# KiCad board oresat-live-card.kicad_pcb (continued)
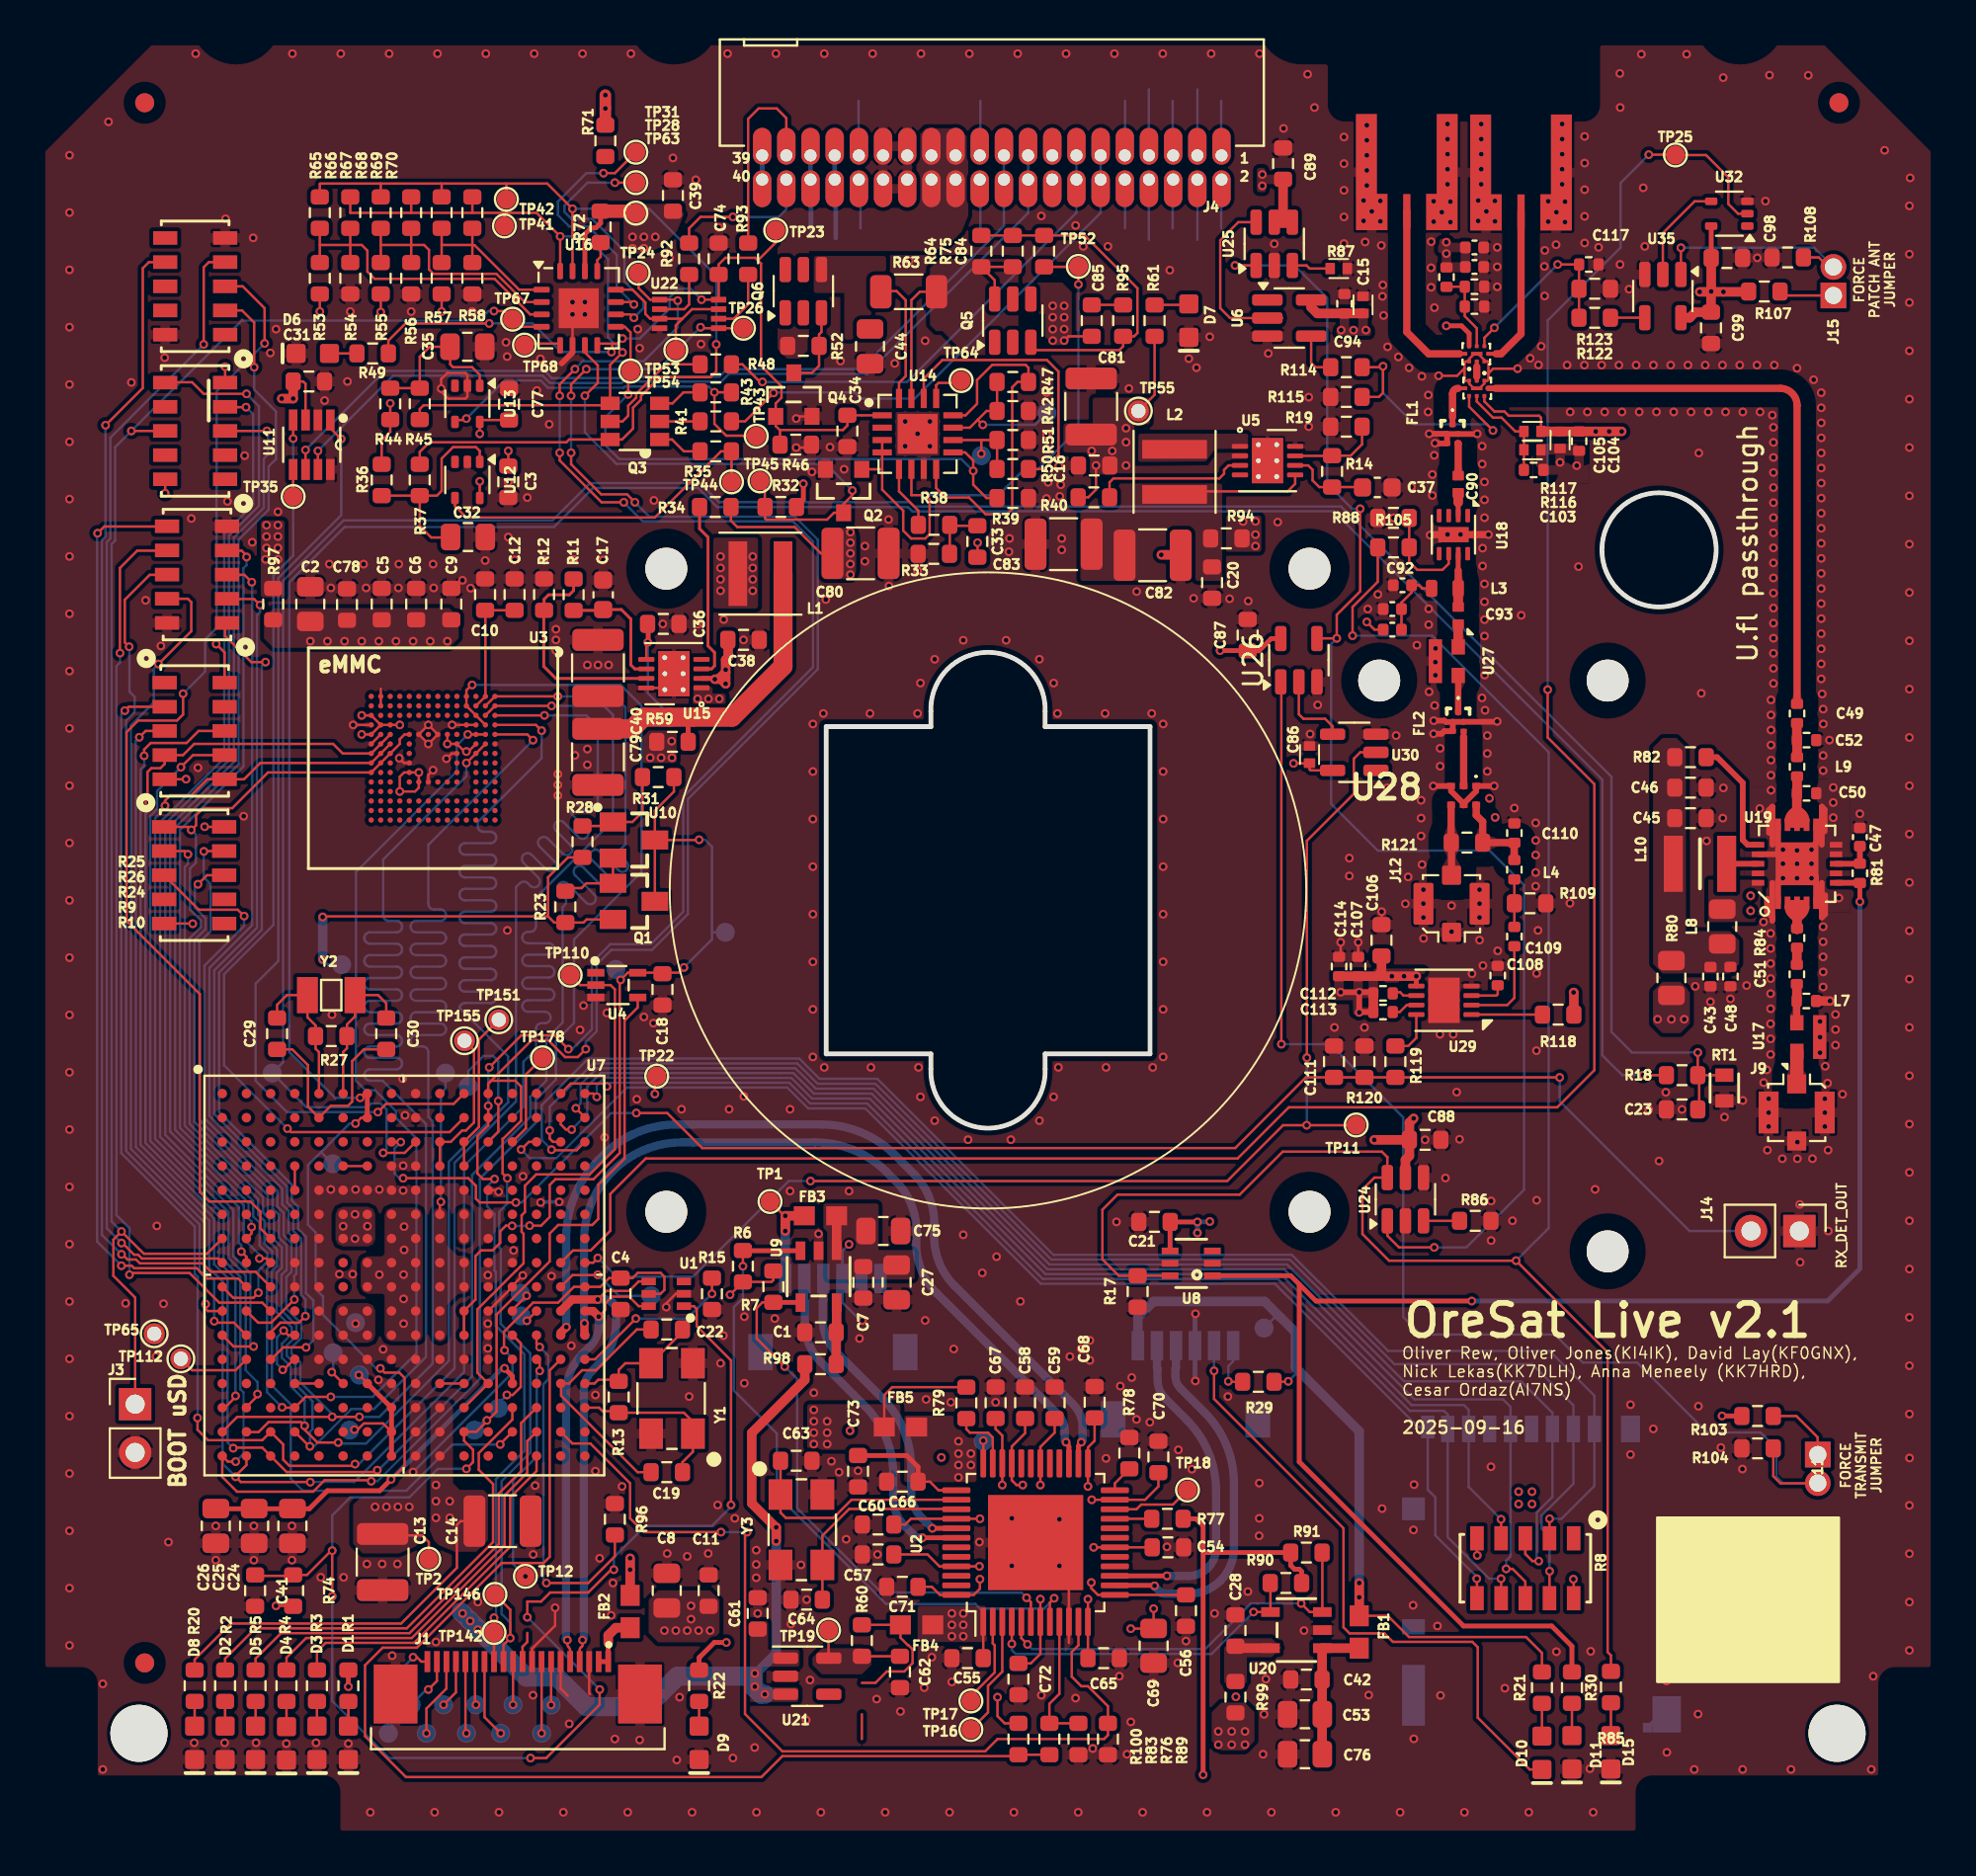
[diagram p0: board, top side]
## Routing (per net, layer and track width the routed paths; a pad name or vN(x,y) marks a point on that pad's centre or on a via; arc(x,y) is an arc through that point) (continued)
I2C0_SCL: length 8
  Top w0.127: U7.D10 U7.C10 21.68,36.58 22.28,37.18 22.48,37.18 22.9,37.61 22.9,41.4 TP155.1
I2C0_SDA: length 8.4
  Top w0.127: TP151.1 23.15,41.95 23.15,37.36 22.38,36.58 22.38,35.31
nRESET: length 103.7
  Top w0.127: 23.57,21.89 24.09,22.41 24.09,27.5 24.08,27.5 26.88,30.3 26.88,31.77 27.33,32.22 29.11,32.22 29.43,32.53 29.43,34.33 30.81,35.71 30.81,42.96 31.5,43.65 U4.4 ; 23.57,21.89 23.57,21.9 v1(23.57,21.95) ; 23.57,21.89 23.02,21.34 22.38,21.34 22.38,20.88 22.85,20.4 22.85,19.75 v1(22.5,19.4) ; 33.92,27.95 34.45,27.95 34.6,27.8 34.6,26.9 36.4,25.1 v1(36.4,17.5) ; J1.10 25.45,10.05 25.7,10.3 25.7,10.77 ; v1(15.45,12.7) v1(15.45,15.1) 15.4,15.1 14.12,13.82 R74.1 13.35,13.77 11.4,13.77 ; v1(30.24,14.1) 30.1,14.1 28.9,12.9 26.9,12.9 26.42,12.42 25.7,12.42 v1(25.7,11.6) ; v1(29.5,7.8) 29.5,7.01 26.69,4.2 v1(25.87,4.2)
  Bottom w0.127: v1(30.24,14.1) 30.24,14.74 31.9,16.4 35.4,16.4 36.4,17.4 v1(36.4,17.5) ; v1(15.45,15.1) 15.45,16.95 16.4,17.9 19.5,17.9 21,19.4 v1(22.5,19.4) ; v1(25.7,11.6) v1(29.5,7.8) ; TP109.1 23.44,21.95 v1(23.57,21.95) ; v1(15.45,12.7) 15.45,7.2 18.45,4.2 v1(25.87,4.2)
OPD_PWR: length 30
  Top w0.607: R71.1 v1(29.8,90.9) v1(29.8,91.6)
  In2.Cu w0.607: v1(29.8,90.9) v1(29.8,91.6) 52.2,91.6 53.28,90.52 53.28,88.02 ; J4.16 53.28,88.02 ; 53.28,88.02 J4.15
OPD_SCL: length 25.2
  Top w0.127: v1(38.05,76.53) 37.92,76.53 37,77.45 R48.1
  Bottom w0.127: v1(38.05,76.53) 45.65,76.53 54.55,85.42 J4.14 J4.13
OPD_SDA: length 27.2
  Top w0.127: R41.1 37.14,74.45 v1(38.63,75.95)
  Bottom w0.127: v1(38.63,75.95) 38.66,75.97 42.91,75.97 43.23,75.65 46.05,75.65 55.82,85.42 J4.12 J4.11
PA_MATCH_OUT: length 32.4
  Top w0.3: U34.8 76.56,76.19
  Top w0.38: C49.2 92.4,75.3 arc(92.14,75.93) 91.51,76.19 76.56,76.19
PA_ON_LNA_OFF: length 105.6
  Top w0.127: v1(69.05,63.19) 69.05,64.7 70.38,66.02 R105.1 ; U8.6 57.76,29.55 R17.2 56.78,29.54 55.91,30.41 55.91,33.02 56.7,33.81 63.12,33.81 65.38,36.07 70.59,36.07 70.88,35.78 70.88,35.78 U24.6 70.2,34.71 69.57,34.08 69.57,31.74 70.97,30.34 v1(77.64,30.34) 82.45,25.53 82.45,9.77 82.62,9.6 82.62,8.75
  Bottom w0.127: v1(77.64,30.34) 79.35,32.05 79.35,57.07 73.23,63.19 v1(69.05,63.19)
PA_THERMISTOR: length 138.5
  Top w0.127: v1(87.19,41.28) R18.2 87.19,40.09 88.36,40.09 88.36,40.09 RT1.1 ; v1(18.13,36.01) 19.26,36.01 U7.C9 ; 87.26,38.29 87.26,40.09
  Bottom w0.127: v1(18.13,36.01) 18.3,36.18 18.3,38.3 18,38.6 17.5,38.6 17.3,38.4 14.1,38.4 TP10.1 12.87,40.77 12.87,66.07 16.05,69.25 27.02,69.25 27.75,69.97 27.75,69.97 28.99,71.21 34.77,71.21 35.78,70.2 45.8,70.2 46.02,69.98 68.44,69.98 82.65,55.77 82.65,42.36 83.73,41.28 v1(87.19,41.28)
PATCH_ANTENNA: length 8.6
  Top w0.2: U36.4 76.59,78
  Top w0.38: J8.SIG 77.9,79.05 76.85,78 76.59,78
RX_DET_OUT: length 82.9
  Top w0.127: v1(79.93,39.97) 79.78,39.97 79.78,39.97 66.6,39.97 62.88,36.26 34.89,36.26 33.05,38.1 v1(31.42,38.1) ; U7.C8 19.04,36.58 v1(19.05,36.57) ; v1(19.17,34.67) 22.6,34.67 23,34.27 23,33.6 23.2,33.4 v1(25.1,33.4)
  Bottom w0.127: v1(25.1,33.4) 25.41,33.4 30.11,38.1 v1(31.42,38.1) ; v1(19.17,34.67) 18.97,34.67 18.72,34.92 18.72,36.25 v1(19.05,36.57) ; v1(79.93,39.97) 79.93,38.72 86.75,31.9 J14.2
RX_IN: length 2.5
  Top w0.2: 74.6,76.19 U34.4
  Top w0.3: FL1.1 74.3,74.67
  Top w0.38: 74.3,74.67 74.3,75.89 arc(74.39,76.1) 74.6,76.19
SYSBOOT2: length 84.9
  Top w0.127: 26.54,79.42 25.32,79.42 TP67.1 24.5,80.25 v1(23.95,80.25) ; 9.67,31.5 8.88,30.71 5.56,30.71 5.36,30.91 5.35,30.91 v1(4.38,31.87) 3.96,31.45 3.96,29.54 5.1,28.4 J3.1 ; v1(4.9,73.95) R26.8
  Bottom w0.127: v1(23.95,80.25) 23.65,80.25 23.15,79.75 10.7,79.75 v1(4.9,73.95) 4.05,73.1 4.05,68.19 3.86,68 3.86,32.39 v1(4.38,31.87)
TRANSMIT: length 65.9
  Top w0.127: U7.H16 29.15,30.23 v1(29.4,30.48) ; TP11.1 69.23,37.46 v1(66.64,37.46) 65.4,37.46 62.47,34.52 v1(40.57,34.52) ; U30.2 69.45,57.06 69.11,56.72 69.11,54.87 66.65,52.41 v1(66.65,41.01)
  Bottom w0.127: v1(40.57,34.52) 39.42,34.52 34.4,29.5 30.38,29.5 v1(29.4,30.48) ; v1(66.64,37.46) 66.64,37.53 66.65,37.54 v1(66.65,41.01)
UART0_Rx: length 106.7
  Top w0.127: v1(28,75.8) 28,76.4 v1(28.8,77.2) ; J1.12 24.45,10.15 v1(24.8,10.5) 24.8,12 TP146.1 ; v1(24.65,34.67) 24.4,34.92 24.4,36.75 24.43,36.75 25.37,37.69 25.37,39.49 25.07,39.8 23.8,39.8 23.64,39.64 ; v1(34.8,79.4) 34.85,79.35 U22.5 37.35,79.35 ; 23.64,39.64 23.64,39.12 ; 23.64,39.64 25.93,41.93 26.79,41.93 27.68,41.04 28.35,41.04 v1(28.77,41.46) ; v1(28,72.8) 28,72.2 29.58,70.62 30.94,70.62 31.35,70.21 v1(31.35,70.2)
  Bottom w0.127: v1(31.35,70.2) 32.11,69.45 39.75,69.45 40.96,68.24 40.96,61.43 34.14,54.61 34.14,48.57 32.25,46.68 30.12,46.68 29.34,45.9 29.34,42.39 28.77,41.82 v1(28.77,41.46) ; v1(28.8,77.2) 32.6,77.2 v1(34.8,79.4) ; v1(28,72.8) v1(28,75.8) ; v1(24.65,34.67) 24.64,34.66 24.64,33.33 24.23,32.92 24.23,31.02 24.3,30.95 24.3,27.01 25.85,25.47 25.85,20.25 24.35,18.75 24.35,11.77 24.8,11.31 v1(24.8,10.5)
UART0_Tx: length 103.5
  Top w0.127: v1(23.65,38.47) 23.64,38.47 U7.B12 23.64,37.45 23.08,36.88 23.08,34.92 23.37,34.63 v1(23.98,34.63) ; v1(27.4,72.8) 27.4,72.4 29.6,70.2 v1(30.77,70.2) ; v1(27.4,75.8) 27.4,76.4 v1(28.2,77.2) ; J1.13 TP142.1 v1(23.95,11.57) ; v1(33.6,80.8) 33.55,80.85 U22.1 32.15,80.85 31.55,81.45 31.55,82.3 ; v1(27.86,41.46) 27.13,42.18 25.38,42.18 v1(23.7,40.5)
  Bottom w0.127: v1(28.2,77.2) 28.62,77.62 31.82,77.62 33.6,79.4 v1(33.6,80.8) ; v1(23.98,34.63) 23.59,34.25 23.59,33.19 23.98,32.8 23.98,29.82 24.04,29.76 24.04,26.91 25.55,25.41 25.55,20.35 24.05,18.85 24.05,11.67 v1(23.95,11.57) ; v1(27.86,41.46) 28.05,41.46 29.09,42.5 29.09,46.01 30.05,46.97 32.18,46.97 33.89,48.68 33.89,54.72 40.71,61.54 40.71,68.13 39.65,69.19 31.77,69.19 30.93,70.03 30.93,70.03 v1(30.77,70.2) ; v1(23.65,38.47) 23.65,40.45 v1(23.7,40.5) ; v1(27.4,72.8) v1(27.4,75.8)
USB_DEV_N: length 22.8
  Top w0.127: U1.6 31.55,27.95 31.05,28.45 30.15,28.45 29.8,28.1 29.8,27.75 v1(29.45,27.4) ; J1.5 27.95,9.84 arc(27.93,9.94) 27.88,10.02 arc(27.82,10.11) 27.8,10.21
  Top w0.432: U7.K16 29.16,27.69 v1(29.45,27.4)
  Bottom w0.432: v1(29.45,27.4) 29.45,26.92 arc(29.34,26.35) 29.01,25.86 28.61,25.46 arc(27.96,24.49) 27.73,23.34 27.73,10.47 v1(27.8,10.4)
USB_DEV_P: length 25.6
  Top w0.127: J1.4 28.45,9.88 arc(28.46,9.94) 28.5,10 28.57,10.07 arc(28.59,10.1) 28.6,10.14 v1(28.6,10.4) ; v1(29.4,28.3) 29.85,28.75 31.05,28.75 31.55,29.25 U1.4
  Top w0.432: v1(29.4,28.3) 28.06,28.3 27.45,27.69
  Bottom w0.432: v1(28.6,10.4) 28.63,10.43 arc(28.66,10.47) 28.67,10.52 28.67,23.5 arc(28.78,24.07) 29.11,24.56 29.48,24.93 arc(30.1,25.83) 30.36,26.88 30.36,27.73 arc(30.32,27.93) 30.21,28.09 30.15,28.15 arc(29.98,28.26) 29.79,28.3 v1(29.4,28.3)
USB_DEV_VBUS: length 3.2
  Top w0.25: 29.95,10.25 J1.1 J1.2
  Top w0.5: 29.95,10.25 29.95,10.65 30.35,11.05 FB2.1
VPD: length 24.4
  Top w0.127: v1(14.8,80.22) R53.2 ; v1(18,80.2) R55.2 ; 23.2,70.52 v1(23.2,71.3) ; C3.1 v1(24.7,72.9) ; v1(23.2,73.8) 23.2,74.52 24.67,74.52 ; v1(18.5,75.4) R44.2 18.5,73.9 18.05,73.45 R36.2 ; v1(21.2,80.22) R57.2
  Top w0.25: 31.3,85.5 TP63.1 ; 40.2,70.32 v1(40.2,71.17) ; 28.72,82.26 28.72,84.3 29.05,84.62 29.3,84.62 29.55,84.87 R72.2
  Top w0.7: R72.2 31.3,85.5
  In2.Cu w0.25: v1(40.2,71.17) 32.25,71.17
  vias: v1(31.22,84.15) v1(31.22,83.55) v1(31.82,84.15) v1(31.82,83.55) v1(32.42,84.15)
Net-(C2-Pad1): length 9.5
  Top w0.127: U3.N4 U3.M4 v1(19,58.5) ; U3.N4 U3.P5 v1(17,58) ; U3.N4 U3.P3 v1(17,59) ; U3.F5 v1(21.5,57.5) U3.E6 22.4,57.1 v1(22.5,57.1) 22.6,57.1 U3.C6 ; U3.K9 v1(20,56) U3.J10 20,55.2 19.8,55 v1(19,55) 19,55.77 19.22,56 U3.K9
  vias: v1(14.3,62.9) v1(15.2,62.9) v1(16.1,62.9) v1(17,62.9) v1(17.9,62.9) v1(18.8,62.9) v1(19.7,62.9) v1(20.6,62.9) v1(21.5,62.9)
Net-(C33-Pad1): length 3
  Top w0.127: C33.1 47.9,68.97 47.89,68.96 47.89,67.44
Net-(C49-Pad1): length 1.8
  Top w0.38: 92.39,58.58 C49.1 ; 92.4,57.69 C52.1
  Top w0.5: L9.2 92.4,57.69 ; C52.1 92.39,58.58
Net-(C51-Pad1): length 2
  Top w0.38: 92.39,44 L7.2 92.38,42.85 U17.2
  Top w0.5: C51.1 92.39,44
Net-(C51-Pad2): length 0.8
  Top w0.5: 92.39,46.74 C51.2
Net-(C54-Pad1): length 22.6
  Top w0.127: v1(49.45,14.27) U2.45 47.35,14.27 46.72,14.9 C57.1 ; v1(50.65,18.55) U2.34 50.65,21.15 50.3,21.5 C67.1 ; C59.1 53.4,21.3 52.65,20.55 U2.30 v1(52.65,18.55) ; C54.1 U2.18 v1(55.45,15.27) ; C65.1 U2.12 v1(55.15,12.55) ; C55.1 U2.1 ; v1(57.4,11) 58.6,11 v1(58.6,12.05)
  vias: v1(48,11.8) v1(48,11.2) v1(48,10.6) v1(48.6,11.8) v1(48.6,11.2) v1(48.6,10.6)
Net-(C56-Pad1): length 37.2
  Top w0.127: C58.1 51.85,21.27 51.15,20.57 U2.33 51.15,18.8 51.4,18.55 v1(51.72,18.55) ; v1(55.15,18.47) U2.25 55.15,20.52 55.5,20.88 C68.1 ; v1(55.32,13.42) 55.32,13.12 55.67,12.77 U2.13 C56.1 ; U2.37 47.3,18.27 46.85,18.72 C66.1 ; C72.1 52.15,9.17 52.65,9.67 U2.7 v1(52.65,12.55) ; v1(49.47,13.6) 49.47,13.1 49.15,12.77 U2.48 47.38,12.77 46.95,13.2 C71.1 ; C70.1 58.85,18.47 58.15,17.77 U2.23 v1(55.35,17.77) ; C60.1 45.55,16.47 45.85,16.77 U2.40 v1(49.47,16.77)
  Top w0.25: C66.1 46.22,19.5 45.62,20.1 C73.1
  vias: v1(48.35,20.85) v1(48.35,20.2) v1(48.35,19.6) v1(48.35,18.95) v1(49,20.2) v1(49,19.6)
Net-(C85-Pad2): length 1.7
  Top w0.127: C85.2 R95.1
Net-(C91-Pad1): length 3.7
  Top w0.127: R106.1 C91.1 71.62,64.93 72.15,65.46 C92.1 72.54,65.84 72.71,65.67 72.72,65.67 L3.1
Net-(C93-Pad2): length 1.2
  Top w0.5: C93.2 U27.1
Net-(C109-Pad1): length 2.5
  Top w0.127: L4.2 R109.1 C109.1
Net-(D1-A): length 1.3
  Top w0.127: 16.3,5.88 R1.2
Net-(D2-A): length 1.3
  Top w0.127: 9.82,5.88 R2.2
Net-(D3-A): length 1.3
  Top w0.127: 14.65,5.88 R3.2
Net-(D4-A): length 1.3
  Top w0.127: D4.2 R4.2
Net-(D5-A): length 1.3
  Top w0.127: 11.42,5.88 R5.2
Net-(D6-A): length 1.4
  Top w0.127: R49.1 D6.2
Net-(D7-A): length 1.8
  Top w0.127: 60.45,80.63 60.4,80.57 R61.1
Net-(D8-A): length 1.3
  Top w0.127: 8.22,5.88 R20.2
Net-(D9-A): length 1.3
  Top w0.127: 34.72,5.88 R22.2
Net-(D10-A): length 1.7
  Top w0.127: D10.2 R21.2
Net-(D11-A): length 1.7
  Top w0.127: 80.57,5.38 R30.2
Net-(D15-A): length 1.7
  Top w0.127: R85.2 82.62,5.38 82.62,5.38
Net-(FL1-OUTPUT): length 1.7
  Top w0.127: 74.59,71.61 C90.1
  Top w0.38: FL1.4 74.6,73.28 C90.1
Net-(FL2-INPUT): length 1.9
  Top w0.33: U27.2 FL2.1
Net-(FL2-OUTPUT): length 2.9
  Top w0.27: FL2.4 74.89,57.88
  Top w0.38: U28.2 74.89,57.88
Net-(J1-DEBUG-0): length 2.5
  Top w0.127: J1.17 21.95,7.65 v1(21.3,7)
Net-(J1-DEBUG-1): length 4.2
  Top w0.127: J1.18 21.45,7.85 20.4,6.8 v1(20.4,5.5)
Net-(J1-DEBUG-2): length 2.9
  Top w0.127: J1.19 20.95,8.25 v1(20.5,7.8)
  Bottom w0.127: v1(20.5,7.8) 20.4,7.8 TP21.1
Net-(J1-DEBUG-3): length 5.4
  Top w0.127: J1.20 20.13,9.27 19.9,9.5 v1(19.7,9.5)
  Bottom w0.127: v1(19.7,9.5) 18.4,8.2 TP30.1
Net-(J1-HOST-D+): length 2.3
  Top w0.127: J1.7 26.95,6.99 v1(26.95,6.99)
Net-(J1-HOST-D-): length 3.8
  Top w0.127: J1.8 v1(26.45,5.5)
Net-(J1-SWCLK): length 2.3
  Top w0.127: J1.15 22.95,7.05 v1(23,7)
Net-(J1-SWDIO): length 4.1
  Top w0.127: v1(24.3,5.5) 23.45,6.35 J1.14
Net-(J1-SWO): length 3.8
  Top w0.127: J1.16 22.45,5.55 v1(22.5,5.5)
Net-(J1-VTARGET): length 2.3
  Top w0.127: J1.11 v1(24.95,7)
Net-(J7-CD#): length 69.1
  Top w0.127: R8.6 75.59,13.61 v1(75.57,13.62) ; U7.C14 25.78,36.58 v1(25.38,36.18) ; TP22.1 32.4,39.94 v1(32.4,39.1)
  Bottom w0.127: 32.4,39.44 30.93,39.44 27.23,35.73 25.83,35.73 v1(25.38,36.18) ; 32.4,39.44 v1(32.4,39.1) ; 32.4,39.44 39.36,39.44 40.45,38.35 43.45,38.35 52.67,29.13 64.97,29.13 72.5,21.6 J7.CD 73,18.3 73.4,17.9 73.4,15.9 75.57,13.72 v1(75.57,13.62)
Net-(J7-CLK): length 70.7
  Top w0.127: R8.8 78.12,13.47 77.46,14.14 v1(77.12,14.14) ; 27.45,37.85 27.45,37.5 27.73,37.23 v1(28.03,37.23)
  Bottom w0.127: J7.5 77.35,21.35 ; J7.5 77.35,22.65 76.95,23.05 72.3,23.05 65.46,29.89 53.02,29.89 43.79,39.12 40.75,39.12 39.67,40.2 38.92,40.2 ; J7.5 77.35,14.8 77.12,14.57 v1(77.12,14.14) ; 38.97,40.2 29.55,40.2 28.85,39.5 28.85,38.06 v1(28.03,37.23)
Net-(J7-CMD/DI): length 70.8
  Top w0.127: R8.3 78.12,14.92 78.5,14.55 v1(78.83,14.55) ; v1(28.25,38.35) 28.72,37.87 U7.B16
  Bottom w0.127: v1(28.25,38.35) 28.5,38.6 28.5,39.6 29.35,40.45 39.78,40.45 40.85,39.38 43.89,39.38 53.12,30.14 65.61,30.14 71.75,24 77.9,24 79.55,22.35 J7.3 79.55,17.92 78.73,17.1 78.73,14.65 v1(78.83,14.55)
Net-(J7-DAT0/DO): length 62
  Top w0.127: R8.4 76.85,16.74 v1(76.85,16.75) ; 28.72,39.12 29.17,39.12 v1(29.35,38.95)
  Bottom w0.127: v1(76.85,16.75) 75.15,18.45 J7.7 75.15,22.5 74.9,22.75 72.15,22.75 65.27,29.64 52.91,29.64 43.69,38.86 40.66,38.86 39.57,39.95 29.74,39.95 29.35,39.56 v1(29.35,38.95)
Net-(J7-DAT1): length 65.4
  Top w0.127: v1(76.85,13.62) 76.85,13.62 R8.7 ; v1(29.88,39.5) 29.73,39.65 27.98,39.65 27.45,39.12
  Bottom w0.127: v1(76.85,13.62) 76.23,13.62 74.05,15.81 J7.8 74.05,22.25 73.85,22.45 72.05,22.45 65.12,29.38 52.78,29.38 43.56,38.6 40.56,38.6 39.46,39.69 30.07,39.69 v1(29.88,39.5)
Net-(J7-DAT2): length 77
  Top w0.127: v1(79.4,16.77) 79.39,16.77 R8.2 ; U7.C16 28.28,36.14 27,36.14 v1(26.97,36.17)
  Bottom w0.127: v1(26.97,36.17) 26.46,36.69 26.46,38.52 28.9,40.96 39.99,40.96 41.05,39.9 44.08,39.9 53.33,30.65 65.86,30.65 70.91,25.6 79.4,25.6 81.75,23.25 J7.1 81.75,18.5 80.03,16.77 v1(79.4,16.77)
Net-(J7-DAT3/CS): length 75.5
  Top w0.127: v1(79.4,14.02) 79.39,14.01 R8.9 ; v1(26.88,37.18) 26.88,36.76 27.05,36.58 27.45,36.58
  Bottom w0.127: v1(26.88,37.18) 26.88,38.43 29.15,40.71 39.88,40.71 40.95,39.64 43.99,39.64 53.23,30.4 65.75,30.4 71.25,24.9 78.49,24.9 80.65,22.74 J7.2 80.65,18.62 78.98,16.95 78.98,16.24 79.4,15.82 v1(79.4,14.02)
Net-(J9-In): length 1.7
  Top w0.38: 92.39,39.64 J9.1
  Top w0.7: U17.1 92.39,39.64
Net-(J11-A): length 3.7
  Top w0.127: J11.1 93.48,20.16 93.48,21.06 92.36,22.18 R103.2
Net-(J11-B): length 67.8
  Top w0.127: U26.1 65.31,60.73 v1(65.31,41.72) ; R104.1 91.15,19.02 91.53,18.64 93.48,18.64 J11.2
  Bottom w0.127: v1(65.31,41.72) 67.86,41.72 71.71,37.87 71.71,27.38 72.63,26.46 79.67,26.46 81.14,24.98 84,24.98 87.67,21.31 90.49,21.31 91.32,20.48 91.32,18.98 91.66,18.64 93.48,18.64 J11.2
Net-(J12-In): length 3.7
  Top w0.38: 74.23,54.3 74.23,52.32 R121.1 74.25,52.3 J12.1
Net-(J15-A): length 2.8
  Top w0.127: 91.5,81.07 J15.1
Net-(J15-B): length 11.6
  Top w0.127: U35.1 v1(86.3,83.58) ; J15.2 94.04,82.57 93.54,83.07 R108.1
  Bottom w0.127: J15.2 93.3,83.58 v1(86.3,83.58)
Net-(Q1-B): length 3.9
  Top w0.127: 27.7,49.92 28.55,49.92 28.8,50.17 30.1,50.17 30.2,50.27 U10.2
Net-(Q1-C): length 46
  Top w0.127: v1(25.82,32.18) 26.42,32.18 26.88,32.63 26.88,34.32 27.18,34.62 29.17,34.62 30.55,36 30.55,45.05 ; U10.3 34.71,52.45 v1(34.72,52.46) ; U10.3 32.4,53.99 33.4,54.99 R31.1 ; U10.3 Q1.3 ; 24.89,32.17 v1(24.9,32.17) 24.89,32.18 24.58,32.18 24.28,31.88 24.28,31.28 23.88,30.88 23.28,30.88 22.98,30.58 22.98,28.3 22.38,27.69 22.38,26.42 ; v1(33.92,45.75) 33.65,45.47 30.97,45.47 v1(30.6,45.1)
  Bottom w0.127: v1(33.92,45.75) 35.4,47.22 35.4,47.6 ; v1(25.82,32.18) 25.81,32.17 v1(24.9,32.17) ; 35.4,47.6 35.4,52.1 35.04,52.46 v1(34.72,52.46) ; 35.4,47.6 TP14.1
Net-(Q3A-G): length 2.4
  Top w0.127: Q3.1 33.3,73.5 33.92,72.88 R35.2
Net-(Q3A-S): length 6.4
  Top w0.127: R48.2 32.97,77.45 31.42,75.89 31.42,75.7 31,75.28 31,74.75 30.7,74.45 Q3.5
Net-(Q3B-G): length 2.4
  Top w0.127: Q3.3 33.32,75.4 33.9,75.98 R43.2
Net-(Q3B-S): length 2.1
  Top w0.127: R41.2 34.77,74.45 Q3.2
Net-(Q4-D): length 4.3
  Top w0.127: Q6.3 41.15,79.15 41.03,79.03 R52.1 41.03,77.38 40.65,77 Q4.3
Net-(Q5-G): length 18.3
  Top w0.127: Q5.3 52.15,78.3 52.25,78.2 56.8,78.2 57,78.4 R95.2 57.57,78.92 57.75,79.1 57.75,81.45 54.97,84.22 R75.2 C84.1 R64.1
Net-(Q5-S): length 6.6
  Top w0.127: 47.15,81.27 46.32,81.27 45.88,80.83 U14.15
Net-(R9-22): length 112.7
  Top w0.127: v1(4.56,59.25) 4.76,59.45 R9.2 ; v1(26.6,59) U3.A3 ; 8.38,22.08 v1(8.38,22.08) 8.38,21.46 8.93,20.9 11.77,20.9 U7.R3 12.88,20.68 12.88,19.88 13.2,19.56 16.56,19.56 v1(16.65,19.65)
  Bottom w0.127: v1(16.65,19.65) 16.84,19.65 21.88,24.68 21.88,35.48 21.88,35.48 25.11,38.71 25.11,49.98 25.3,50.17 arc(25.52,50.26) 25.73,50.17 25.85,50.05 arc(26.06,49.96) 26.28,50.05 arc(26.36,50.26) 26.28,50.48 25.5,51.25 arc(25.41,51.46) 25.5,51.67 arc(25.71,51.76) 25.93,51.67 26.7,50.9 arc(26.91,50.81) 27.12,50.9 arc(27.21,51.11) 27.12,51.32 26.35,52.1 arc(26.26,52.31) 26.35,52.52 arc(26.56,52.61) 26.77,52.52 27.55,51.75 arc(27.76,51.66) 27.97,51.75 arc(28.06,51.96) 27.97,52.17 27.2,52.95 arc(27.11,53.16) 27.2,53.37 arc(27.41,53.46) 27.62,53.37 28.4,52.6 arc(28.61,52.51) 28.82,52.6 arc(28.91,52.81) 28.82,53.02 28.05,53.8 arc(27.96,54.01) 28.05,54.22 arc(28.26,54.31) 28.47,54.22 28.7,53.99 arc(28.91,53.9) 29.12,53.99 29.4,54.27 29.4,58.4 28.8,59 v1(26.6,59) ; v1(4.56,59.25) 4.37,59.06 4.37,36 8.23,32.14 8.23,29.64 8.39,29.48 8.39,29.13 8.38,29.13 8.38,22.09 8.38,22.08
Net-(R9-33): length 114.1
  Top w0.127: U3.B3 24,59.5 v1(26.97,59.5) ; U7.T2 10.94,19.6 10.38,19.03 v1(10.38,18.98) 10.65,18.71 14.15,18.71 14.15,18.71 ; R9.3 5.65,58.18 v1(5.32,57.85)
  Bottom w0.127: v1(10.38,18.98) 9.7,19.66 9.7,29.24 8.99,29.95 8.99,32.46 5.13,36.32 5.13,57.66 v1(5.32,57.85) ; v1(26.97,59.5) 29.73,59.5 30.2,59.03 30.2,53.47 26.15,49.42 26.15,47.92 arc(26.07,47.71) 25.85,47.62 25.74,47.62 arc(25.52,47.54) 25.44,47.32 arc(25.52,47.11) 25.74,47.02 26.82,47.02 arc(27.03,46.94) 27.12,46.72 arc(27.03,46.51) 26.82,46.42 25.74,46.42 arc(25.52,46.34) 25.44,46.12 arc(25.52,45.91) 25.74,45.82 26.82,45.82 arc(27.03,45.74) 27.12,45.52 arc(27.03,45.31) 26.82,45.22 25.74,45.22 arc(25.52,45.14) 25.44,44.92 arc(25.52,44.71) 25.74,44.62 26.82,44.62 arc(27.03,44.54) 27.12,44.32 arc(27.03,44.11) 26.82,44.02 25.74,44.02 arc(25.52,43.94) 25.44,43.72 arc(25.52,43.51) 25.74,43.42 26.62,43.42 arc(26.83,43.34) 26.92,43.12 arc(26.83,42.91) 26.62,42.82 26.45,42.82 arc(26.24,42.74) 26.15,42.52 26.15,41.45 25.5,40.8 25.5,38.44 22.38,35.32 22.38,24.48 16.6,18.71 14.15,18.71
  vias: v1(14.3,18.7)
Net-(R9-44): length 50.1
  Top w0.127: v1(10.37,23.23) 10.37,23.18 9.81,22.61 9.67,22.61 ; U3.M5 17.5,57 16,57 15.5,57.5 8.2,57.5 7.61,56.91 R9.4 6.65,56.45 6.42,56.22 5.95,56.22 5.75,56.02 5.75,54.5 v1(5.83,54.42)
  Bottom w0.127: v1(10.37,23.23) 10.37,29.39 9.5,30.26 9.5,32.67 5.64,36.53 5.64,53.81 5.82,54 5.82,54.42 v1(5.83,54.42)
Net-(R9-66): length 47.7
  Top w0.127: U7.P2 10.94,22.65 11.53,23.23 v1(11.53,23.33) ; U3.M6 17.5,56.5 11.67,56.5 10.82,55.64 R9.6 8.89,55.64 8.05,54.8 6.95,54.8 6.67,54.52 v1(6.67,54.25)
  Bottom w0.127: v1(11.53,23.33) 11.53,23.96 10.9,24.58 10.9,29.58 10,30.47 10,32.89 6.15,36.74 6.15,53.6 6.67,54.12 v1(6.67,54.25)
Net-(R9-77): length 111.1
  Top w0.127: v1(7.5,56.28) 8.14,56.91 R9.7 ; v1(10.38,19.78) 9.97,19.78 9.67,20.07 9.67,18.97 10.45,18.2 14.45,18.2 15.05,18.8 17.45,18.8 v1(17.5,18.75) ; U3.B4 22.5,59.5 22.5,60.33 v1(22.8,60.6)
  Bottom w0.127: v1(22.8,60.6) 30.6,60.6 31.7,59.5 31.7,50.77 28.15,47.22 28.15,42.83 27.2,41.87 27.2,39.85 26.15,38.8 26.15,37.6 23.2,34.65 23.2,24.12 17.83,18.75 v1(17.5,18.75) ; v1(10.38,19.78) 10.79,20.19 10.79,23.42 10.63,23.58 10.63,29.49 9.75,30.37 9.75,32.78 5.89,36.64 5.89,53.71 6.25,54.07 6.25,55.02 v1(7.5,56.28)
Net-(R9-88): length 115.1
  Top w0.127: v1(17.82,19.33) 17.72,19.23 13.06,19.23 U7.T3 11.77,20.52 10.28,20.52 v1(10.25,20.49) ; v1(27.3,60) 24,60 U3.B2 ; v1(5.57,56.87) 5.57,57.2 5.92,57.55 7.8,57.55 8.43,58.18 R9.8
  Bottom w0.127: v1(27.3,60) 30.28,60 30.85,59.42 30.85,52.22 30.62,51.99 arc(30.54,51.78) 30.62,51.57 30.91,51.29 arc(31,51.07) 30.91,50.86 arc(30.7,50.77) 30.48,50.86 29.49,51.85 arc(29.28,51.94) 29.07,51.85 arc(28.98,51.64) 29.07,51.43 30.06,50.44 arc(30.15,50.23) 30.06,50.01 arc(29.85,49.93) 29.63,50.01 28.64,51 arc(28.43,51.09) 28.22,51 arc(28.13,50.79) 28.22,50.58 29.21,49.59 arc(29.3,49.38) 29.21,49.17 arc(29,49.08) 28.79,49.17 27.8,50.16 arc(27.58,50.24) 27.37,50.16 arc(27.28,49.94) 27.37,49.73 27.65,49.45 arc(27.74,49.24) 27.65,49.02 27.55,48.92 27.55,42.85 26.7,42 26.7,39.8 25.85,38.95 25.85,37.9 22.8,34.85 22.8,24.25 17.88,19.33 v1(17.82,19.33) ; v1(5.57,56.87) 5.57,56.35 5.57,56.35 5.39,56.16 5.39,36.42 9.24,32.57 9.24,30.16 9.95,29.45 9.95,20.78 v1(10.25,20.49)
Net-(R10-11): length 65.9
  Top w0.127: v1(24.28,20.68) 24.28,20.71 U7.R13 ; U3.K5 19.25,58 19,57.75 19,57.5 17.5,56 12.07,56 10.2,54.12 8.67,54.12 8.3,53.75 8.3,53.22 8.05,52.98 v1(8.05,52.98) 7.88,53.14 R10.1
  Bottom w0.127: v1(24.28,20.68) 21.78,20.68 19.34,18.25 13.91,18.25 13.27,18.89 13.27,22.79 12.28,23.78 12.28,29.8 12.55,30.07 12.55,30.94 12.14,31.35 12.14,32.54 11.81,32.87 11.81,33.68 7.96,37.53 7.96,47.29 8.54,47.87 8.54,48.23 7.98,48.79 7.98,50.95 8.29,51.26 8.29,52.73 v1(8.05,52.98)
Net-(R10-22): length 78.5
  Top w0.127: v1(12.82,22.63) 12.95,22.63 12.97,22.61 U7.P4 14.05,23.18 v1(15.38,23.18) ; U3.B5 v1(22.57,58) ; v1(7.87,51.7) 7.7,51.87 R10.2
  Bottom w0.127: v1(22.57,58) 22,57.42 22,56.07 16.7,50.77 16.7,39.8 17.2,39.3 17.7,39.3 18.8,38.2 18.8,37.85 19.88,36.77 19.88,25.48 17.58,23.18 v1(15.38,23.18) ; v1(7.87,51.7) 7.88,51.7 7.88,51.2 7.71,51.03 7.71,37.43 11.56,33.58 11.56,32.77 11.89,32.44 11.89,31.24 12.3,30.83 12.3,30.18 12.03,29.91 12.03,23.43 v1(12.82,22.63)
Net-(R10-33): length 104.6
  Top w0.127: 9.67,21.34 10.46,22.13 v1(15.45,22.13) v1(16.88,22.13) ; R10.3 8.44,48.78 10.49,48.78 v1(10.82,48.45) ; v1(26,57.7) 25.7,58 U3.A5
  Bottom w0.127: v1(26,57.7) 20.5,52.2 20.5,49.1 arc(20.59,48.89) 20.8,48.8 21.13,48.8 arc(21.35,48.71) 21.43,48.5 arc(21.35,48.29) 21.13,48.2 19.87,48.2 arc(19.65,48.11) 19.57,47.9 arc(19.65,47.69) 19.87,47.6 21.13,47.6 arc(21.35,47.51) 21.43,47.3 arc(21.35,47.09) 21.13,47 19.87,47 arc(19.65,46.91) 19.57,46.7 arc(19.65,46.49) 19.87,46.4 21.13,46.4 arc(21.35,46.31) 21.43,46.1 arc(21.35,45.89) 21.13,45.8 19.87,45.8 arc(19.65,45.71) 19.57,45.5 arc(19.65,45.29) 19.87,45.2 21.13,45.2 arc(21.35,45.11) 21.43,44.9 arc(21.35,44.69) 21.13,44.6 19.87,44.6 arc(19.65,44.51) 19.57,44.3 arc(19.65,44.09) 19.87,44 21.13,44 arc(21.35,43.91) 21.43,43.7 arc(21.35,43.49) 21.13,43.4 19.87,43.4 arc(19.65,43.31) 19.57,43.1 arc(19.65,42.89) 19.87,42.8 21.13,42.8 arc(21.35,42.71) 21.43,42.5 arc(21.35,42.29) 21.13,42.2 19.87,42.2 arc(19.65,42.11) 19.57,41.9 arc(19.65,41.69) 19.87,41.6 20.2,41.6 arc(20.41,41.51) 20.5,41.3 20.5,37.9 20.73,37.67 20.73,24.93 17.93,22.13 v1(16.88,22.13) ; v1(10.82,48.45) 10.82,47.93 8.74,45.85 8.74,37.83 12.57,34 12.57,33.19 12.9,32.86 12.9,31.66 13.31,31.25 13.31,29.76 13.04,29.49 13.04,27.83 13.83,27.05 13.83,26.28 13.32,25.77 13.32,25.45 13.78,24.99 13.78,23.95 15.45,22.27 v1(15.45,22.13)
Net-(R10-88): length 112.1
  Top w0.127: R10.8 8.87,50.6 v1(8.4,50.12) ; v1(15.77,20.78) 14.67,20.78 14.67,20.79 14,21.46 v1(14,21.66) 13.8,21.86 12.1,21.86 11.58,21.33 10.96,21.33 U7.R2 ; U3.A4 26.15,58.5 v1(26.45,58.2)
  Bottom w0.127: v1(14,21.66) 14,23.01 13.27,23.74 13.27,24.78 12.81,25.24 12.81,25.98 13.32,26.49 13.32,26.84 12.53,27.62 12.53,29.7 12.81,29.97 12.81,31.04 12.4,31.45 12.4,32.65 12.07,32.98 12.07,33.79 8.21,37.64 8.21,47.18 8.8,47.76 8.8,48.34 8.23,48.9 8.23,49.96 v1(8.4,50.12) ; v1(26.45,58.2) 26.45,56.75 23.1,53.4 23.1,53.18 23.1,53.14 23.13,53.05 23.19,52.97 23.26,52.91 23.35,52.88 23.4,52.88 23.76,52.88 23.81,52.88 23.9,52.85 23.98,52.8 24.03,52.72 24.06,52.63 24.06,52.58 24.06,52.54 24.03,52.45 23.98,52.37 23.9,52.31 23.81,52.28 23.76,52.28 22.44,52.28 22.39,52.28 22.3,52.25 22.22,52.2 22.17,52.12 22.14,52.03 22.14,51.98 22.14,51.94 22.17,51.85 22.22,51.77 22.3,51.71 22.39,51.68 22.44,51.68 23.76,51.68 23.81,51.68 23.9,51.65 23.98,51.6 24.03,51.52 24.06,51.43 24.06,51.38 24.06,51.34 24.03,51.25 23.98,51.17 23.9,51.11 23.81,51.08 23.76,51.08 22.44,51.08 22.39,51.08 22.3,51.05 22.22,51 22.17,50.92 22.14,50.83 22.14,50.78 22.14,50.74 22.17,50.65 22.22,50.57 22.3,50.51 22.39,50.48 22.44,50.48 23.76,50.48 23.81,50.48 23.9,50.45 23.98,50.4 24.03,50.32 24.06,50.23 24.06,50.18 24.06,50.14 24.03,50.05 23.98,49.97 23.9,49.91 23.81,49.88 23.76,49.88 22.44,49.88 22.39,49.88 22.3,49.85 22.22,49.8 22.17,49.72 22.14,49.63 22.14,49.58 22.14,49.54 22.17,49.45 22.22,49.37 22.3,49.31 22.39,49.28 22.44,49.28 23.76,49.28 23.81,49.28 23.9,49.25 23.98,49.2 24.03,49.12 24.06,49.03 24.06,48.98 24.06,48.94 24.03,48.85 23.98,48.77 23.9,48.71 23.81,48.68 23.76,48.68 22.44,48.68 22.39,48.68 22.3,48.65 22.22,48.6 22.17,48.52 22.14,48.43 22.14,48.38 22.14,48.34 22.17,48.25 22.22,48.17 22.3,48.11 22.39,48.08 22.44,48.08 23.76,48.08 23.81,48.08 23.9,48.05 23.98,48 24.03,47.92 24.06,47.83 24.06,47.78 24.06,47.74 24.03,47.65 23.98,47.57 23.9,47.51 23.81,47.48 23.76,47.48 22.44,47.48 22.39,47.48 22.3,47.45 22.22,47.4 22.17,47.32 22.14,47.23 22.14,47.18 22.14,47.14 22.17,47.05 22.22,46.97 22.3,46.91 22.39,46.88 22.44,46.88 23.76,46.88 23.81,46.88 23.9,46.85 23.98,46.8 24.03,46.72 24.06,46.63 24.06,46.58 24.06,46.54 24.03,46.45 23.98,46.37 23.9,46.31 23.81,46.28 23.76,46.28 22.44,46.28 22.39,46.28 22.3,46.25 22.22,46.2 22.17,46.12 22.14,46.03 22.14,45.98 22.14,45.94 22.17,45.85 22.22,45.77 22.3,45.71 22.39,45.68 22.44,45.68 23.76,45.68 23.81,45.68 23.9,45.65 23.98,45.6 24.03,45.52 24.06,45.43 24.06,45.38 24.06,45.34 24.03,45.25 23.98,45.17 23.9,45.11 23.81,45.08 23.76,45.08 22.44,45.08 22.39,45.08 22.3,45.05 22.22,45 22.17,44.92 22.14,44.83 22.14,44.78 22.14,44.74 22.17,44.65 22.22,44.57 22.3,44.51 22.39,44.48 22.44,44.48 23.76,44.48 23.81,44.48 23.9,44.45 23.98,44.4 24.03,44.32 24.06,44.23 24.06,44.18 24.06,44.14 24.03,44.05 23.98,43.97 23.9,43.91 23.81,43.88 23.76,43.88 22.44,43.88 22.39,43.88 22.3,43.85 22.22,43.8 22.17,43.72 22.14,43.63 24.7,41.07 24.7,38.66 21.58,35.54 21.58,25.08 17.23,20.73 15.82,20.73 v1(15.77,20.78)